# Altium PCB ipg_wearable.PcbDoc (part 1 of 2)
Units mm, origin at the board's own origin, x right, y up, seen from the top; angles counter-clockwise.
Board outline 60.5 x 38.75 mm, 4 copper layers (Top Layer, Int1 (GND), Int2 (PWR), Bottom Layer), stack 1.56 mm thick; 134 components, 126 nets, 508 pads, 196 vias.
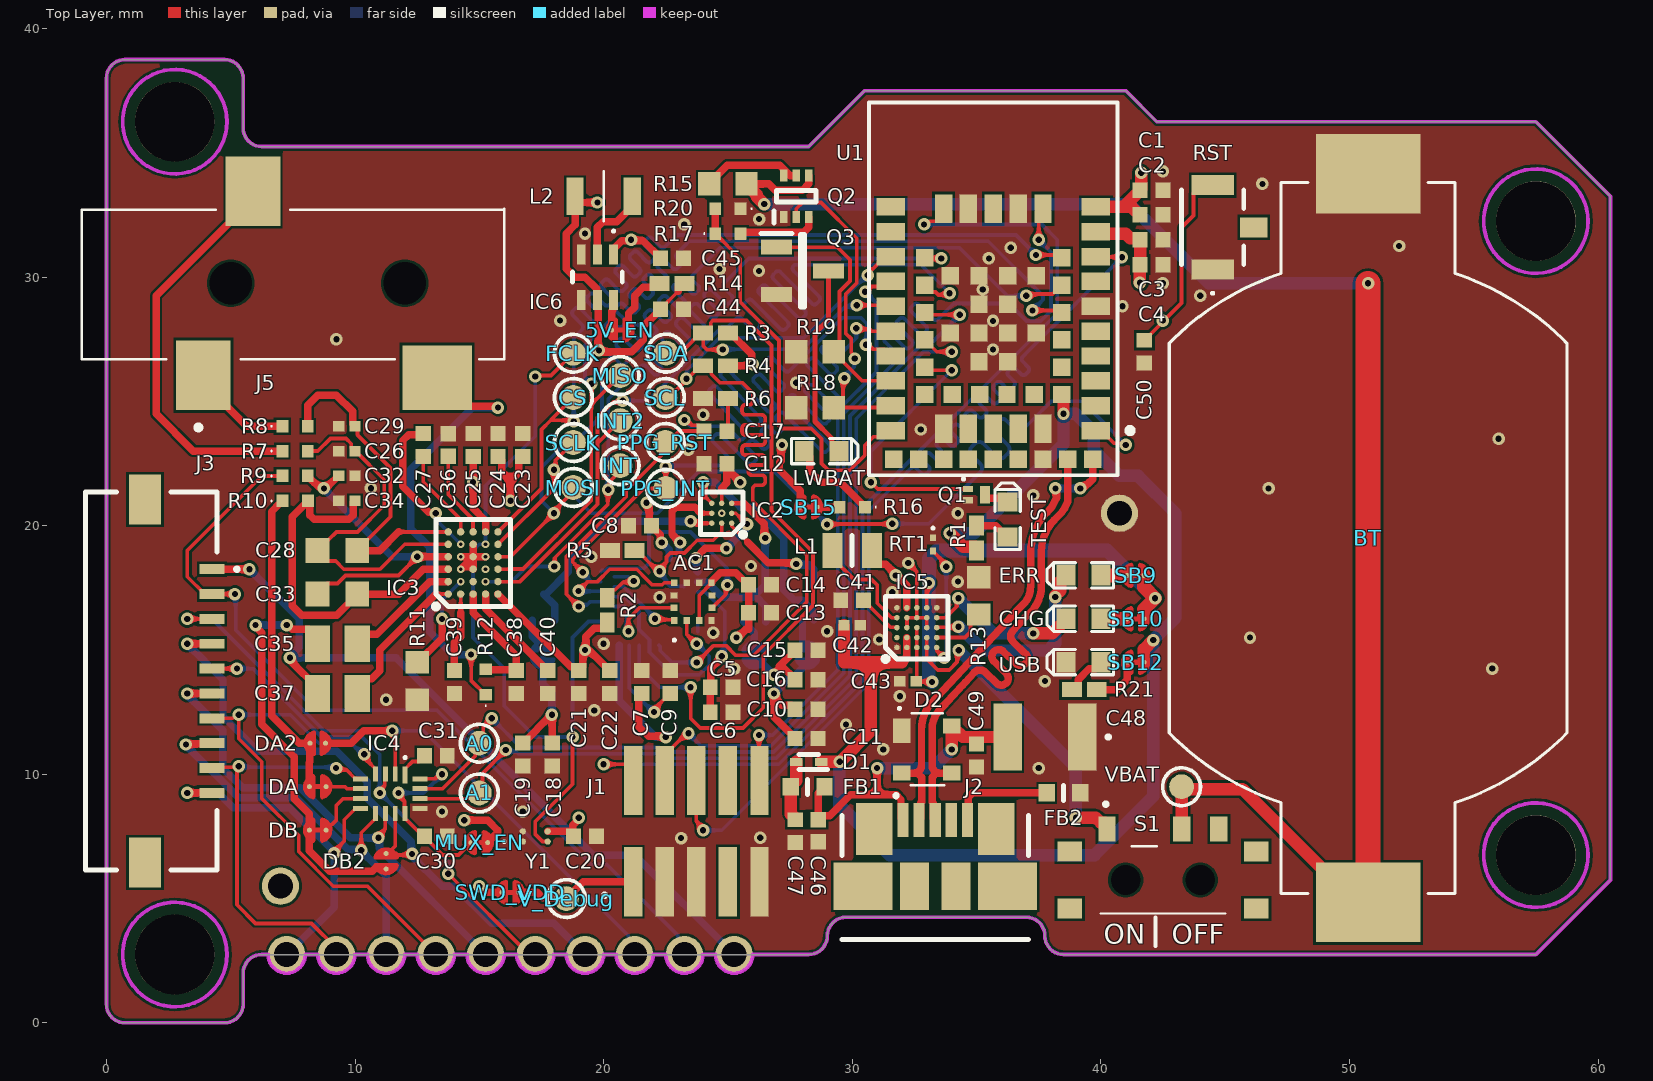
[diagram p0: Top Layer view]
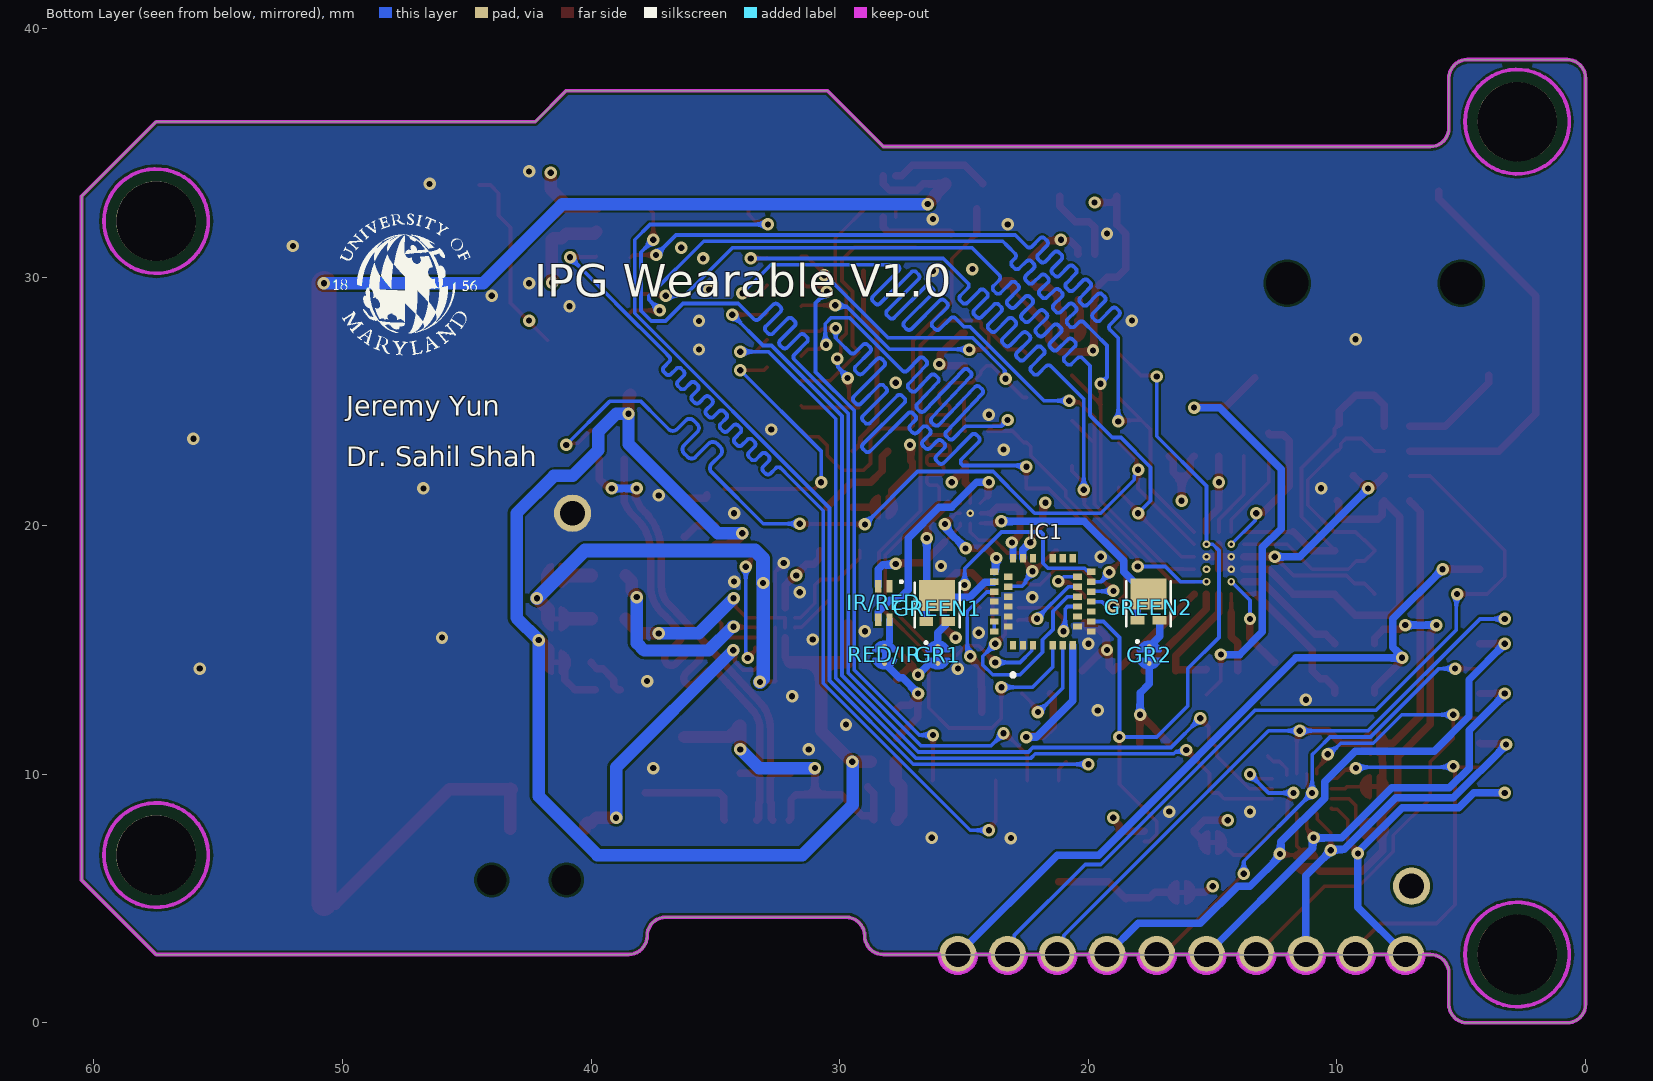
[diagram p1: Bottom Layer view, seen from below]
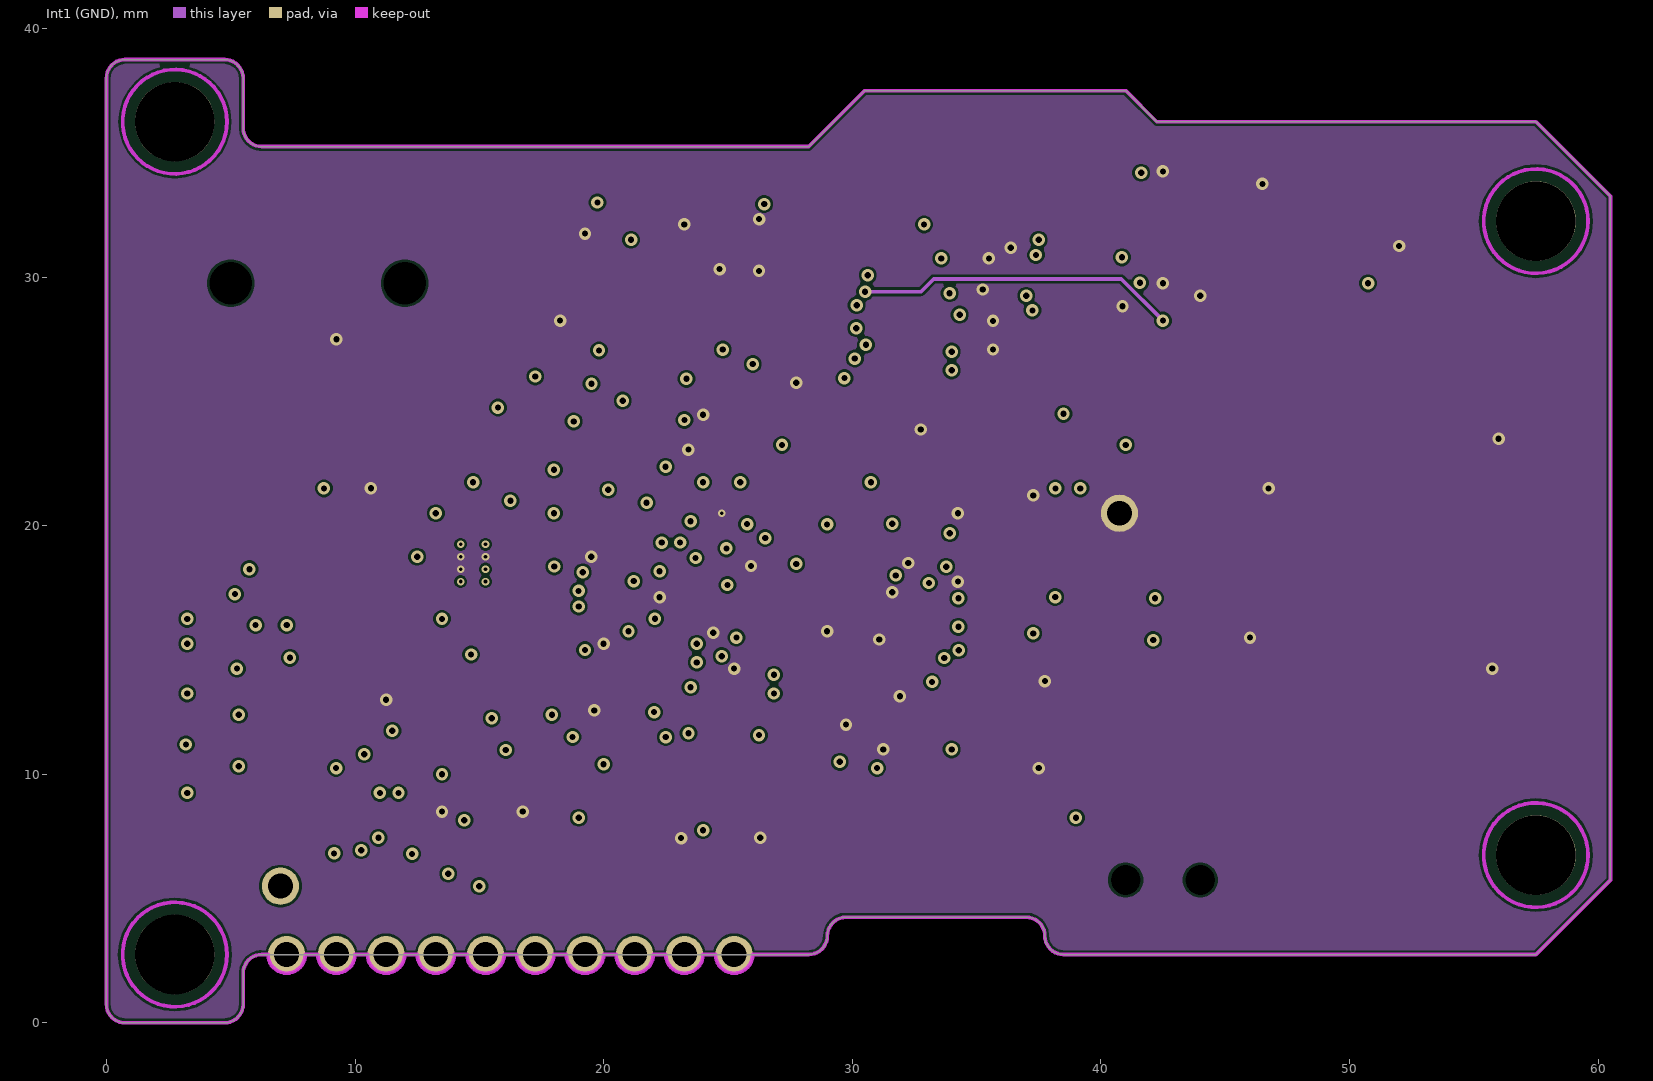
[diagram p2: Int1 (GND)]
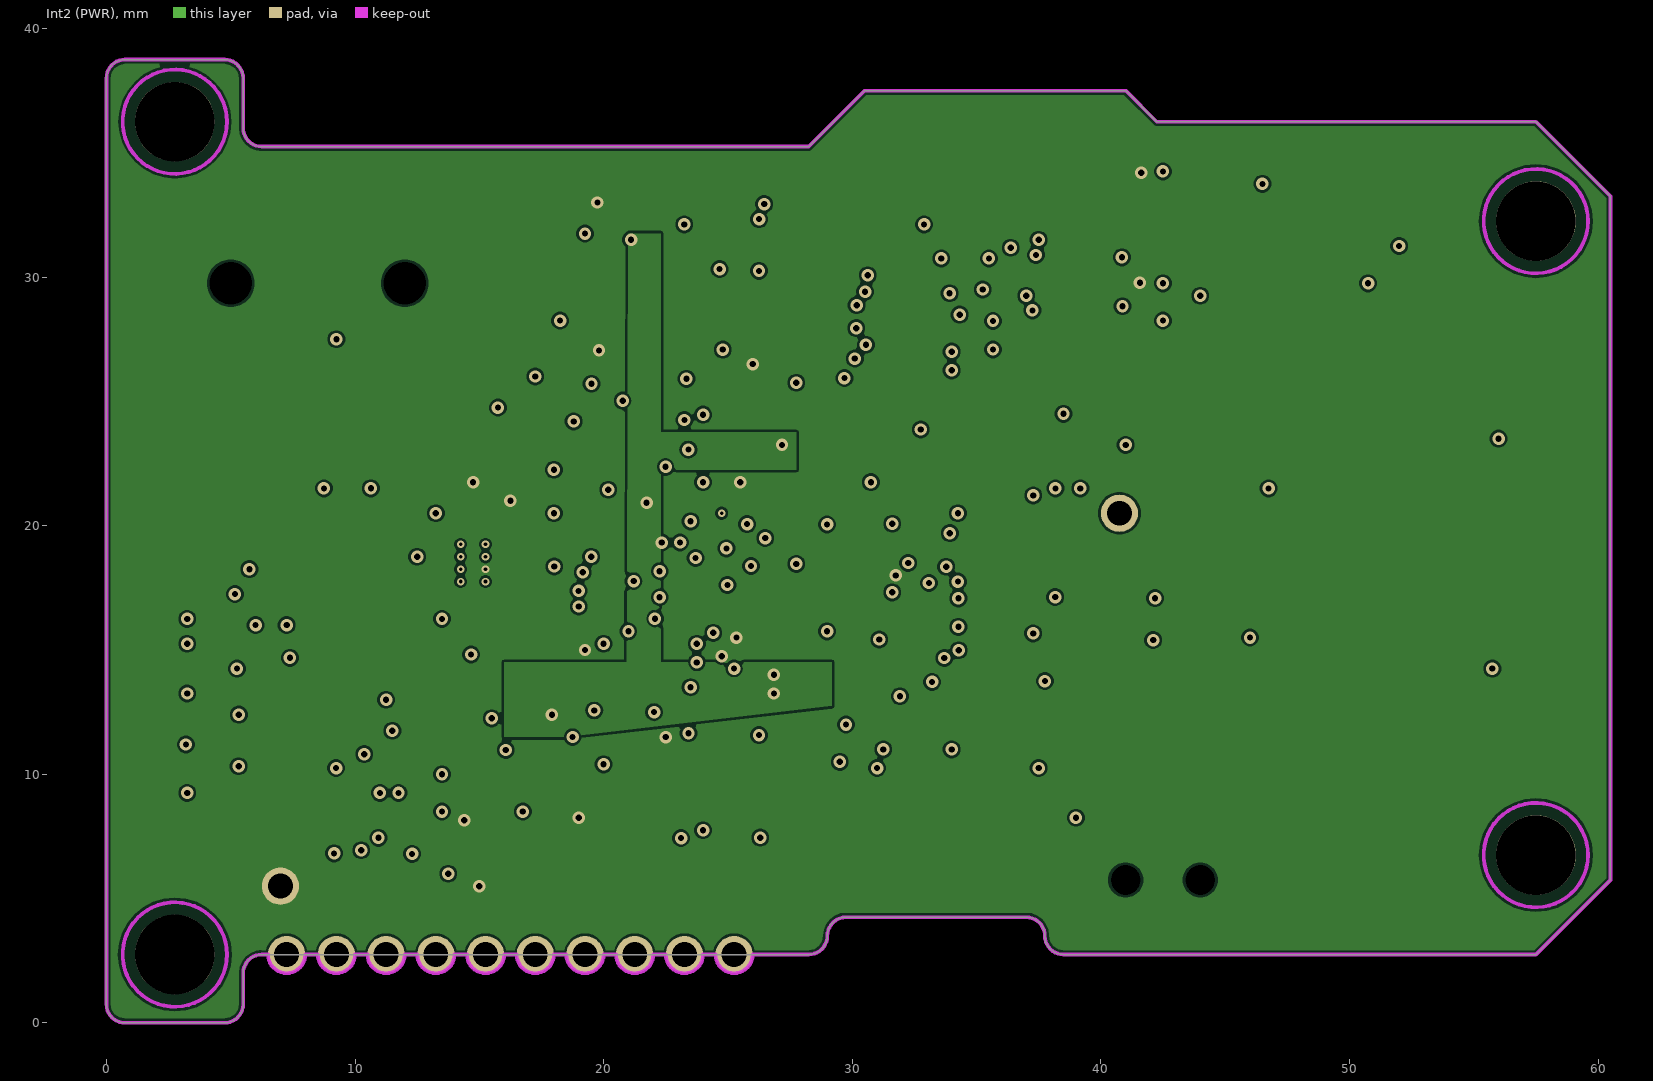
[diagram p3: Int2 (PWR)]
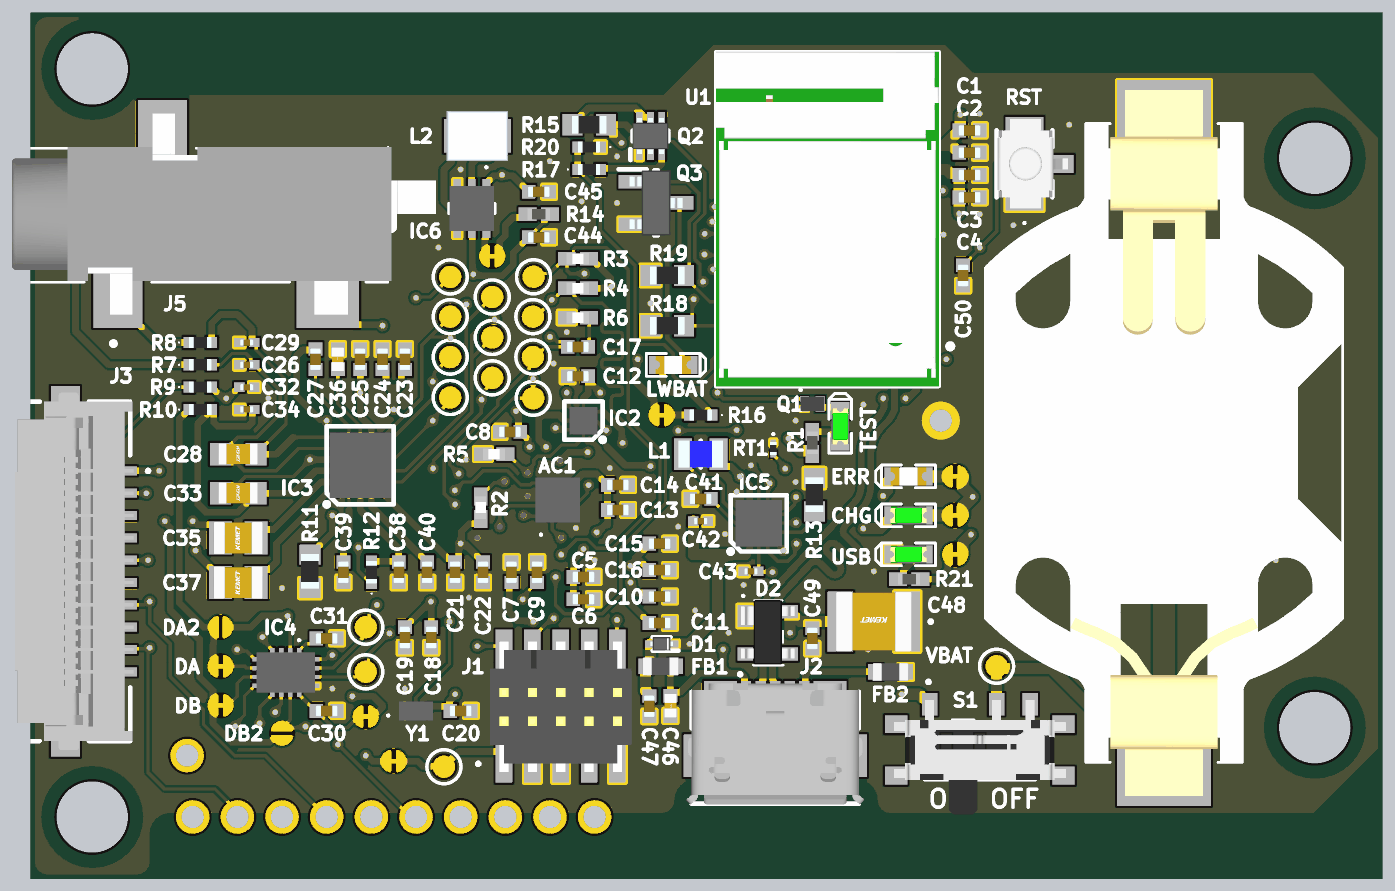
[diagram p5: 3D render of the assembled board from above, using the file's embedded part models]
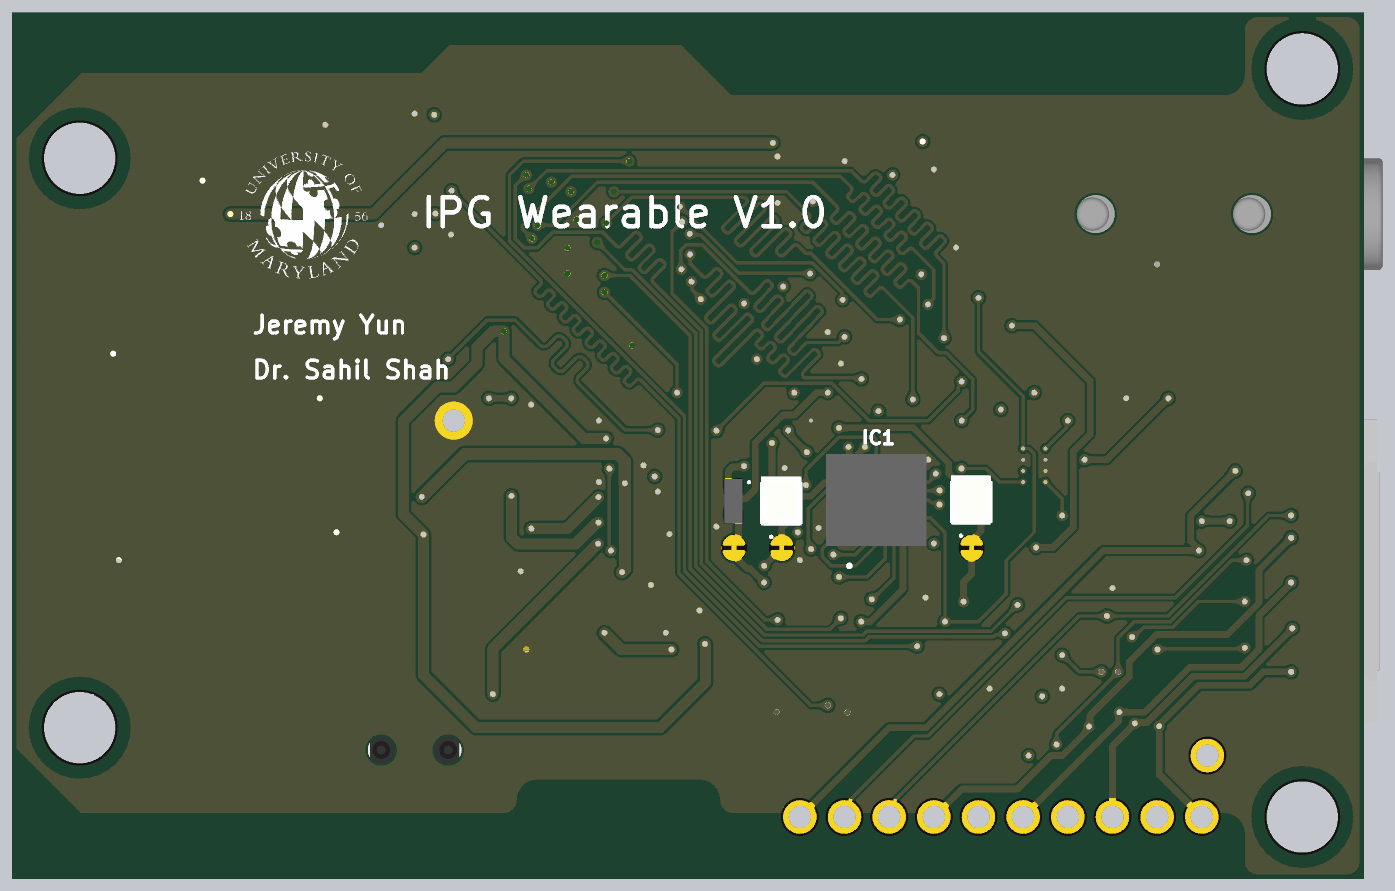
[diagram p6: 3D render of the assembled board from below, using the file's embedded part models]

## Layer stack, top to bottom
Top Solder: solder mask 0.0254, SM-001, Dk 4
Top Layer: signal copper 0.035
Dielectric 1: prepreg 0.11, PP-017, Dk 4.29
Int1 (GND): signal copper 0.035
Dielectric 3: core 1.2, Core-039, Dk 4.8
Int2 (PWR): signal copper 0.035
Dielectric 5: prepreg 0.11, PP-017, Dk 4.29
Bottom Layer: signal copper 0.035
Bottom Solder: solder mask 0.0254, SM-001, Dk 4

## Board outline
0.75,0 4.75,0 ccw(c4.75,0.75) 5.5,0.75 5.5,2 cw(c6.25,2) 6.25,2.75 28.25,2.75 ccw(c28.25,3.5) 29,3.5 cw(c29.75,3.5) 29.75,4.25 37,4.25 cw(c37,3.5) 37.75,3.5 ccw(c38.5,3.5) 38.5,2.75 57.5,2.75 60.5,5.75 60.5,33.25 57.5,36.25 42.25,36.25 41,37.5 30.5,37.5 28.25,35.25 6.25,35.25 cw(c6.25,36) 5.5,36 5.5,38 ccw(c4.75,38) 4.75,38.75 0.75,38.75 ccw(c0.75,38) 0,38 0,0.75 ccw(c0.75,0.75)

## Design rules (kind name [scope] priority, off if disabled: settings)
Clearance [All] p1: gap=0.1 ignorepadtopadclearanceinfootprint=TRUE except(0: Arc-THPad Track-THPad SMDPad-THPad THPad-THPad)
ComponentClearance [All] p1: gap=0.1 collisioncheckmode=3 verticalgap=0.1 showdistances=FALSE
DiffPairsRouting [All] p1: maxlimit=0.254 minlimit=0.127 mostfreqgap=0.254 toplayer_maxgap=0.127 toplayer_prefgap=0.127 toplayer_minwidth=0.131 toplayer_maxwidth=0.3 toplayer_prefwidth=0.131 bottomlayer_maxgap=0.127 bottomlayer_prefgap=0.127 bottomlayer_minwidth=0.131 bottomlayer_maxwidth=0.3 bottomlayer_prefwidth=0.131 impedanceprofiledriven=TRUE impedanceprofileid={45A02E84-0892-4A8C-9921-00702DD62996} impedanceprofilevalue=90.000000 maxuncoupledlength=12.7
HoleSize [All] p1: absolutevalues=TRUE maxlimit=3.5 minlimit=0.025 maxpercent=80.000 minpercent=20.000
MinimumSolderMaskSliver [All] p1 off: minsoldermaskwidth=0
PolygonConnect [All] p1: connectstyle=Direct reliefconductorwidth=0.254 reliefentries=4 polygonreliefangle="90 Angle" airgapwidth=0.254
RoutingVias [All] p1: holewidth=0.25 width=0.5 viastyle="Through Hole" minholewidth=0.102 minwidth=0.203 maxholewidth=1 maxwidth=1.6
SilkToSilkClearance [All] p1: silktosilkclearance=0.1
SilkToSolderMaskClearance [IsPad] p1 off: minsilkscreentomaskgap=0 clearancetoexposedcopper=TRUE
SolderMaskExpansion SolderMaskExpansion_Vias [IsVia] p1: expansion=0.102 istentingtop=TRUE
SolderMaskExpansion [All] p2: expansion=0.102 istentingtop=FALSE
ViasUnderSMD [InBGA] p1: allowed=TRUE
Width [All] p1: maxlimit=2 minlimit=0.076 preferedwidth=0.15
24 further rules are at their usual default settings.

## Classes and differential pairs
differential pair D: +D_P -D_N

## Components (designator, comment, footprint, x,y, rotation, side; value= is the part's Value field where it differs from the comment)
5V_EN "Solderbridge" Solderbridge_Shorted 20.663,27.865 r0 top net-tie
A0 "Ø1.0mm,SMD" TP_SMD_D1.0mm 15,11.25 r90 top
A1 "Ø1.0mm,SMD" TP_SMD_D1.0mm 15,9.25 r90 top
AC1 "KX122-1037" KX1221037 23.595,16.945 r90 top
BT "BU2032SM-G" BAT_BU2032SM-G 50.75,19.5 r90 top
C1 "0.1uF" CAPC1005X55N 42.04,33.5 r180 top
C2 "10uF" CAPC1005X55N 42.04,32.5 r180 top
C3 "0.1uF" CAPC1005X55N 42.04,31.5 r180 top
C4 "10uF" CAPC1005X55N 42.04,30.5 r180 top
C5 "0.1uF" CAPC1005X55N 24.75,13.5 r180 top
C6 "10uF" CAPC1005X55N 24.75,12.5 r180 top
C7 "1uF" CAPC1005X55N 21.529,13.71 r270 top
C8 "22uF" CAPC1005X55N 21.46,20 r0 top
C9 "1uF" CAPC1005X55N 22.672,13.71 r270 top
C10 "22uF" CAPC1005X55N 28.161,12.623 r180 top
C11 "22uF" CAPC1005X55N 28.161,11.439 r180 top
C12 "0.1uF" CAPC1005X55N 24.501,22.487 r0 top
C13 "100nF" CAPC1005X55N 26.29,16.5 r180 top
C14 "100nF" CAPC1005X55N 26.29,17.62 r180 top
C15 "22uF" CAPC1005X55N 28.161,14.991 r180 top
C16 "22uF" CAPC1005X55N 28.161,13.807 r180 top
C17 "0.1uF" CAPC1005X55N 24.501,23.805 r180 top
C18 "22uF" CAPC1005X55N 17.936,10.79 r90 top
C19 "22uF" CAPC1005X55N 16.75,10.79 r90 top
C20 "0.1uF" CAPC1005X55N 19.25,7.5 r180 top
C21 "10uF" CAPC1005X55N 19,13.71 r90 top
C22 "0.1uF" CAPC1005X55N 20.25,13.71 r90 top
C23 "0.1uF" CAPC1005X55N 16.75,23.25 r270 top
C24 "0.1uF" CAPC1005X55N 15.75,23.25 r270 top
C25 "10uF" CAPC1005X55N 14.75,23.25 r270 top
C26 "10pF" CAPC0603X33N 9.67,23 r0 top
C27 "1uF" CAPC1005X55N 12.75,23.25 r270 top
C28 "2nF" C0603 9.29,19 r180 top
C29 "10pF" CAPC0603X33N 9.67,24 r0 top
C30 "0.1uF" CAPC1005X55N 13.25,7.5 r180 top
C31 "0.1uF" CAPC1005X55N 13.25,10.75 r180 top
C32 "10pF" CAPC0603X33N 9.67,22 r180 top
C33 "2nF" C0603 9.29,17.25 r180 top
C34 "10pF" CAPC0603X33N 9.67,21 r0 top
C35 "47nF" CAPC2012X140N 9.29,15.249 r0 top
C36 "1nF" C0402 13.75,23.25 r270 top
C37 "47nF" CAPC2012X140N 9.29,13.249 r0 top
C38 "10uF" CAPC1005X55N 16.479,13.71 r90 top
C39 "0.1uF" CAPC1005X55N 14,13.71 r90 top
C40 "10uF" CAPC1005X55N 17.75,13.71 r90 top
C41 "10uF" CAPC1005X55N 30,17 r0 top
C42 "2.2uF" CAPC0603X33N 30,16 r180 top
C43 "2.2uF" CAPC0603X33N 32.25,13.75 r0 top
C44 "10uF" CAPC1005X55N 22.75,28.709 r180 top
C45 "10uF" CAPC1005X55N 22.75,30.75 r180 top
C46 "1nF" C0402 28.642,7.729 r90 top
C47 "100nF" CAPC1005X55N 27.701,7.71 r90 top
C48 "10uF" C1210 37.75,11.5 r180 top
C49 "100nF" CAPC1005X55N 35,10.75 r90 top
C50 "0.1uF" CAPC1005X55N 41.75,27 r90 top
CHG "L0603G" LED_0603_G 39.301,16.257 r0 top
CS "Ø1.0mm,SMD" TP_SMD_D1.0mm 18.782,25.156 r180 top
D1 "NSR0620P2T5G" SODFL1006X40N 28.25,10.5 r180 top
D2 "PRTR5V0U2X" PRTR5V0U2X 33,11 r270 top
DA "Solderbridge" Solderbridge_Shorted 8.5,9.5 r0 top net-tie
DA2 "Solderbridge" Solderbridge#1 8.5,11.25 r180 top
DB "Solderbridge" Solderbridge_Shorted 8.5,7.75 r0 top net-tie
DB2 "Solderbridge" Solderbridge#2 11.25,6.5 r90 top
ERR "L0603R" LEDC1608X80N 39.301,18.004 r0 top
FB1 "BLM18EG101TZ1D" BLM18EG101TH1D 28.204,9.496 r180 top
FB2 "BLM18EG101TZ1D" BLM18EG101TH1D 38.5,9.25 r0 top
FCLK "Ø1.0mm,SMD" TP_SMD_D1.0mm 18.782,26.936 r90 top
GR1 "Solderbridge" Solderbridge_Shorted 26.054,14.799 r90 bottom net-tie
GR2 "Solderbridge" Solderbridge_Shorted 17.554,14.799 r90 bottom net-tie
GREEN1 "FIREFLY_EE2218" CTDBLP31126C5D56J6U620R18 26.082,16.895 r90 bottom
GREEN2 "FIREFLY_EE2218" CTDBLP31126C5D56J6U620R18 17.582,16.945 r90 bottom
IC1 "MAXM86146CFU+" MAXM86146CFU 21.832,16.945 r90 bottom
IC2 "MAX14689EWL+T" BGA9C40P3X3_124X124X69 24.75,20.5 r180 top
IC3 "MAX30001CWV+" BGA30C50P6X5_293X274X69 14.75,18.5 r90 top
IC4 "TMUX1109RSVR" TMUX1109RSVR 11.418,9.219 r270 top
IC5 "nPM1100-CAAA-E-R7" BGA25C40P5X5_208X208X52 32.6,15.9 r90 top
IC6 "MAX17224ELT+T" MAX17224ELTT 19.75,30 r270 top
INT "Ø1.0mm,SMD" TP_SMD_D1.0mm 20.663,22.416 r180 top
INT2 "Ø1.0mm,SMD" TP_SMD_D1.0mm 20.663,24.226 r180 top
IR/RED "SFH_7015" SFH7015 28.226,16.895 r90 bottom
J1 "FTSH-105-01-L-DV-K" FTSH10501LDVK 23.73,5.68 r0 top
J2 "47346-0001" 47346-0001 33.337,3.35 r180 top
J3 "200528-0100" 2005280100 1.8,13.75 r270 top
J5 "SJ-3523-SMT-TR" SJ3523SMTTR 1.5,29.75 r0 top
L1 "2.2uH" DFE201210S1R0MP2 30,19 r0 top
L2 "2.2uH" LQM2HPZ3R3MJ0B 20,33.25 r0 top
LWBAT "L0603R" LEDC1608X80N 28.768,22.997 r180 top (schematic designator LOW_BATT)
MISO "Ø1.0mm,SMD" TP_SMD_D1.0mm 20.663,26.037 r180 top
MOSI "Ø1.0mm,SMD" TP_SMD_D1.0mm 18.782,21.535 r180 top
MUX_EN "Solderbridge" Solderbridge_Shorted 15,7.25 r180 top net-tie
PPG_INT "Ø1.0mm,SMD" TP_SMD_D1.0mm 22.5,21.5 r90 top
PPG_RST "Ø1.0mm,SMD" TP_SMD_D1.0mm 22.485,23.349 r90 top
Q1 "RV2C010UNT2L" DFN65P100X40-3L 35,21.25 r0 top
Q2 "DMC2400UV" SOTFL50P162X60-6N 27.75,33.25 r90 top
Q3 "FDV303N" SOT96P237X111-3N 28,30.25 r0 top
R1 "560R" RESC1005X40N 35,19.5 r270 top
R2 "4.7k" RESC1005X40N 20.147,16.601 r270 top
R3 "4.7k" RESC1005X40N 24.501,27.75 r0 top
R4 "4.7k" RESC1005X40N 24.501,26.432 r0 top
R5 "100k" RESC1005X40N 20.75,19 r0 top
R6 "10R" RESC1005X40N 24.501,25.113 r0 top
R7 "200k" ERJ2RKD1004X 7.59,23 r0 top
R8 "200k" ERJ2RKD1004X 7.59,24 r0 top
R9 "200R" ERJ2RKD1004X 7.59,22 r0 top
R10 "200R" ERJ2RKD1004X 7.591,20.997 r0 top
R11 "324k" RESC1608X55N 12.5,13.75 r90 top
R12 "200k" ERJ2RKD1004X 15.261,13.71 r90 top
R13 "16.2k" RESC1608X55N 35.092,17.18 r270 top
R14 "33M" RESC1005X40N 22.75,29.75 r180 top
R15 "1M" RESC1608X55N 25,33.75 r0 top
R16 "150R" ERJ2RKD1004X 30,20.75 r180 top
R17 "1.5M" ERJ2RKD1004X 25,31.75 r0 top
R18 "1M" RESC1608X55N 28.5,24.75 r0 top
R19 "1M" RESC1608X55N 28.5,27 r0 top
R20 "220k" ERJ2RKD1004X 25,32.75 r180 top
R21 "560R" RESC1005X40N 39.335,13.402 r0 top
RED/IR "Solderbridge" Solderbridge_Shorted 28.198,14.799 r90 bottom net-tie
RST "TL1017AABF160QG" TL1017AABF160QG 44.5,32 r90 top (schematic designator SW1)
RT1 "10k" ERTJZEG103FA 33.25,19.25 r270 top
S1 "450404015514" 450404015514 42.5,5.75 r180 top
SB9 "Solderbridge" Solderbridge_Shorted 41.398,17.999 r0 top net-tie
SB10 "Solderbridge" Solderbridge_Shorted 41.398,16.253 r0 top net-tie
SB12 "Solderbridge" Solderbridge_Shorted 41.398,14.506 r180 top net-tie
SB15 "Solderbridge" Solderbridge_Shorted 28.25,20.75 r180 top net-tie
SCL "Ø1.0mm,SMD" TP_SMD_D1.0mm 22.485,25.156 r0 top
SCLK "Ø1.0mm,SMD" TP_SMD_D1.0mm 18.782,23.345 r180 top
SDA "Ø1.0mm,SMD" TP_SMD_D1.0mm 22.514,26.942 r90 top
SWD_VDD "Solderbridge" Solderbridge_Shorted 16.25,5.25 r180 top net-tie
TEST "L0603G" LED_0603_G 36.25,20.25 r270 top (schematic designator T_LED)
U1 "NINA-B302" NINA_LGA67R_1500X1000X338_PIFA 35.675,29.525 r90 top
USB "L0603G" LED_0603_G 39.301,14.511 r0 top
V_Debug "Ø1.0mm,SMD" TP_SMD_D1.0mm 18.5,5 r90 top
VBAT "Ø1.0mm,SMD" TP_SMD_D1.0mm 43.25,9.5 r90 top
Y1 "SiT1532AC-J5-DCC-32.768E" SiT1532ACJ5DCC32768E 17.25,7.5 r90 top
